# Altium PCB GEM_AFE_128.PcbDoc (part 15 of 18)
Units mm, origin at the board's own origin, x right, y up, seen from the top; angles counter-clockwise.
Board outline 112 x 81.5 mm, 8 copper layers (Top Layer, L1, L2, L3, L4, L5, L6, Bottom Layer), stack 1.52 mm thick; 1880 components, 1258 nets, 6287 pads, 2369 vias.
Unrouted connection lines stored in the file: 4.
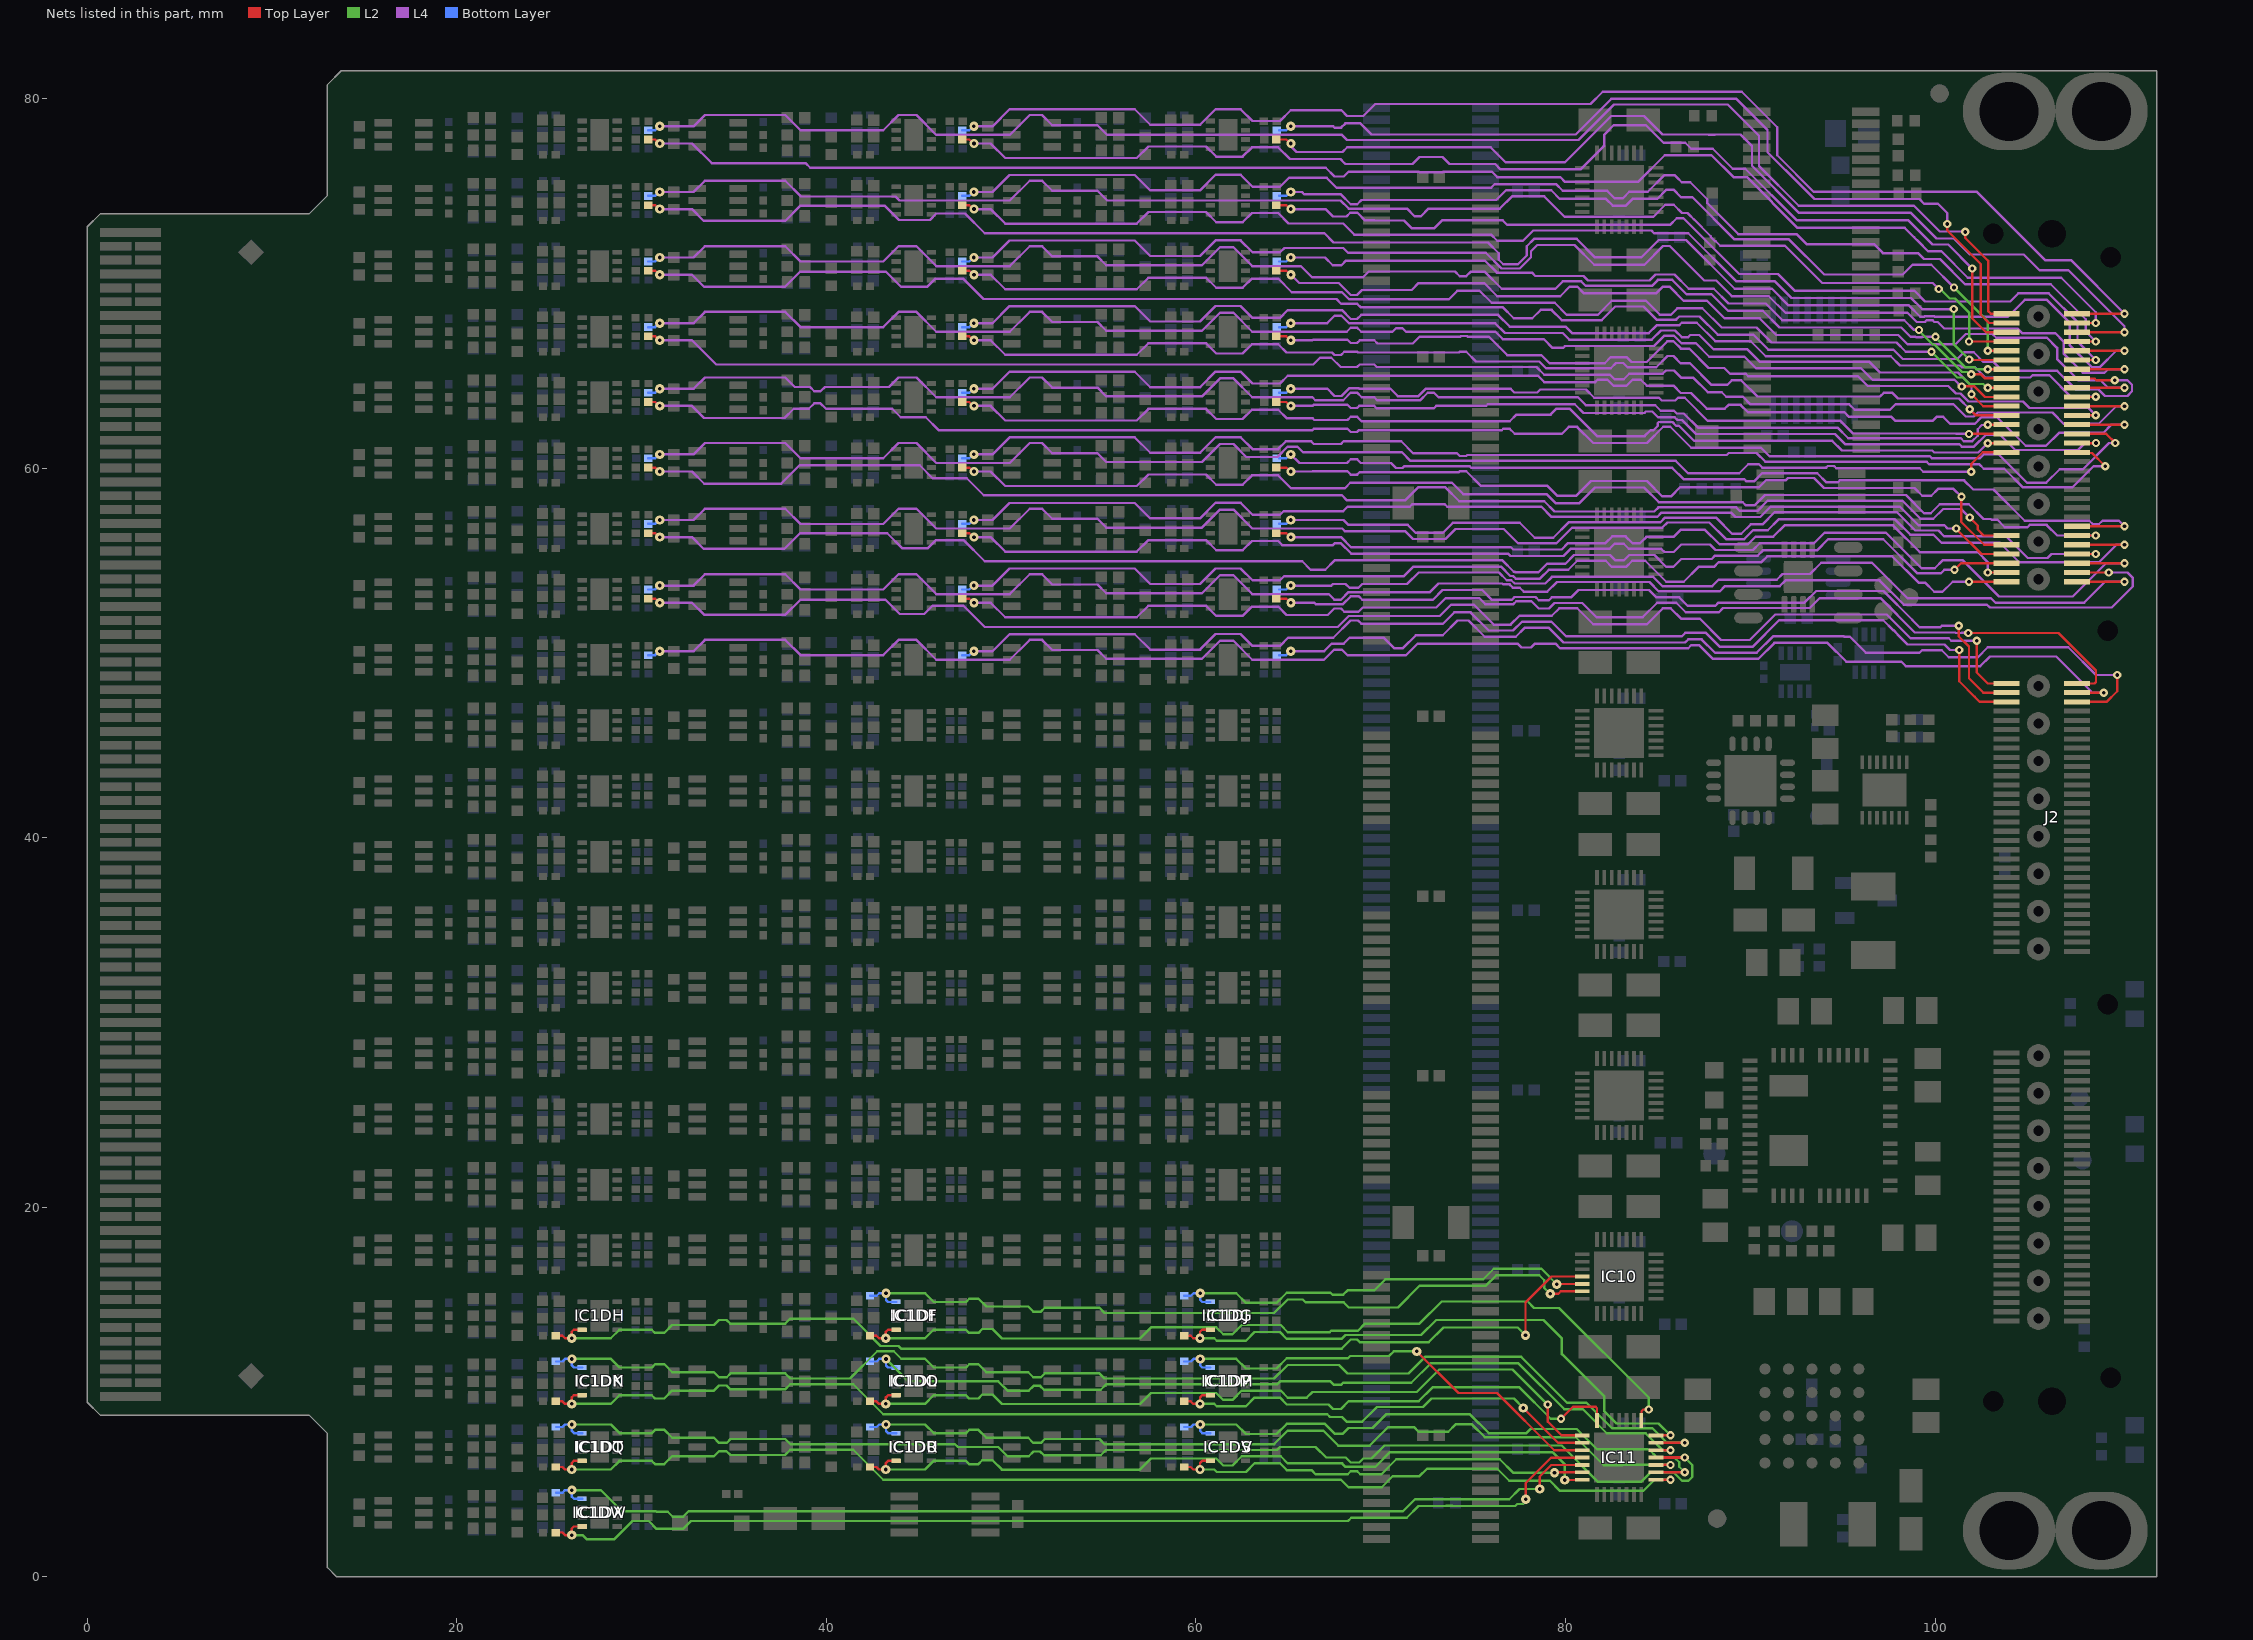
[diagram p21: the nets of this part, all layers, seen from the top]

## Via types
v1: diameter 0.5, hole 0.2, Top Layer to Bottom Layer, tented both sides, 1849 vias
v2: diameter 0.45, hole 0.2, Top Layer to Bottom Layer, tented both sides, 506 vias
v3: diameter 0.45, hole 0.2, Top Layer to Bottom Layer, 14 vias

## Nets (pads, with @x,y where several pads share a name; then routed paths per layer and width w, separated by ;. In a path a pad name is that pad's centre, name@x,y a point inside that pad or via, vN(x,y) a via of type N, cw(c..) or ccw(c..) an arc to the next point about the centre after c; other vN are vias at no path point) (continued)
OFFSET109: C4DF.2 IC1DF.4 IC10.13 | length 42.2
  Top Layer w0.127: v1(79.168,15.315) 79.61,15.315 79.744,15.449 IC10.13@80.9,15.449
  L2 w0.127: v1(43.23,15.342) 45.343,15.342 45.811,14.875 47.561,14.875 47.736,15.05 48.236,15.05 48.661,14.625 50.923,14.625 51.198,14.35 51.611,14.35 51.819,14.559 54.777,14.559 55.058,14.278 64.231,14.278 64.963,15.011 65.778,15.011 65.939,14.85 68,14.85 68.272,14.578 70.928,14.578 72.107,15.757 75.692,15.757 76.259,16.323 78.577,16.323 78.85,16.05 78.85,15.633 v1(79.168,15.315)
  Bottom Layer w0.127: C4DF.2@42.375,15.205 42.727,15.205 42.864,15.342 v1@43.205,15.342 ; v1(43.23,15.342) 43.23,14.988 43.343,14.875 IC1DF.4@43.786,14.875
OFFSET110: C4DG.2 IC1DG.4 IC10.12 | length 23.9
  Top Layer w0.127: v1(79.527,15.834) 79.542,15.849 IC10.12@80.9,15.849
  L2 w0.127: v1(60.23,15.342) 62.183,15.342 62.7,14.825 64.365,14.825 64.915,15.375 67.275,15.375 67.388,15.262 67.962,15.262 68.2,15.5 69.65,15.5 70.25,16.1 75.55,16.1 76.116,16.666 78.695,16.666 v1(79.527,15.834)
  Bottom Layer w0.127: C4DG.2@59.375,15.205 59.727,15.205 59.864,15.342 v1@60.205,15.342 ; v1(60.23,15.342) 60.23,14.988 60.343,14.875 IC1DG.4@60.786,14.875
OFFSET111: C4DH.2 IC1DH.4 IC10.11 | length 61.1
  Top Layer w0.127: C4DH.2@25.364,13.045 25.716,13.045 25.854,12.908 v1@26.195,12.908 ; v1(26.22,12.908) 26.22,13.262 26.333,13.375 IC1DH.4@26.775,13.375 ; v1(77.835,13.071) 77.835,14.844 79.24,16.249 IC10.11@80.9,16.249
  L2 w0.127: v1(26.22,12.908) 28.333,12.908 28.8,13.375 30.55,13.375 30.725,13.2 31.225,13.2 31.65,13.625 33.912,13.625 34.187,13.9 34.6,13.9 34.809,13.691 37.766,13.691 38.047,13.972 41.453,13.972 42.932,12.492 43.902,12.492 44.045,12.35 67.884,12.35 68.377,12.842 68.72,12.842 68.863,12.7 72.6,12.7 73.392,13.492 77.414,13.492 v1(77.835,13.071)
OFFSET112: C4DI.2 IC1DI.4 IC11.1 | length 48.9
  Top Layer w0.127: C4DI.2@42.364,13.045 42.716,13.045 42.854,12.908 v1@43.195,12.908 ; v1(43.22,12.908) 43.22,13.262 43.333,13.375 IC1DI.4@43.775,13.375 ; IC11.1@84.1,8.453 84.109,8.462 84.109,8.96 84.202,9.053 v2(84.498,9.053)
  L2 w0.127: v1(43.22,12.908) 45.333,12.908 45.8,13.375 47.55,13.375 47.725,13.2 48.225,13.2 48.438,13.412 48.987,13.412 49.5,12.9 56.975,12.9 57.575,13.5 61.1,13.5 61.475,13.125 61.975,13.125 62.475,13.625 64.583,13.625 64.968,13.24 67.24,13.24 67.312,13.312 68.762,13.312 69.15,13.7 72.1,13.7 73.3,14.9 77.95,14.9 78.3,14.55 79.65,14.55 84.498,9.702 v2(84.498,9.053)
OFFSET113: C4DJ.2 IC1DJ.4 IC11.28 | length 32.4
  Top Layer w0.127: C4DJ.2@59.364,13.045 59.716,13.045 59.854,12.908 v1@60.195,12.908 ; v1(60.22,12.908) 60.22,13.262 60.333,13.375 IC1DJ.4@60.775,13.375 ; IC11.28@85,7.656 v2(85.676,7.656)
  L2 w0.127: v1(60.22,12.908) 60.989,12.908 61.12,12.777 62.702,12.777 63.174,13.249 64.54,13.249 64.914,12.875 67.875,12.875 68.084,13.084 72.184,13.084 73,13.9 78.8,13.9 79.8,12.9 79.8,12.05 82.1,9.75 82.1,8.95 82.75,8.3 85.032,8.3 v2(85.676,7.656)
OFFSET114: C4DK.2 IC1DK.4 IC11.27 | length 68.6
  Top Layer w0.14: IC11.27@85,7.256 v2(86.447,7.256)
  L2 w0.127: v1(26.23,11.792) 28.343,11.792 28.811,11.325 30.561,11.325 30.736,11.5 31.236,11.5 31.661,11.075 33.923,11.075 34.198,10.8 34.611,10.8 34.819,11.009 37.777,11.009 38.058,10.728 41.278,10.728 42.758,12.208 43.642,12.208 44.05,11.8 45.336,11.8 45.811,11.325 47.561,11.325 47.736,11.5 48.236,11.5 48.661,11.075 50.923,11.075 51.198,10.8 51.611,10.8 51.819,11.009 54.777,11.009 55.058,10.728 64.231,10.728 64.963,11.461 67.739,11.461 68.2,11 71.5,11 72.4,11.9 77.6,11.9 80.076,9.424 81.126,9.424 82.51,8.04 84.7,8.04 85.484,7.256 v2(86.447,7.256)
  Bottom Layer w0.127: C4DK.2@25.375,11.655 25.727,11.655 25.864,11.792 v1@26.205,11.792 ; v1(26.23,11.792) 26.23,11.438 26.343,11.325 IC1DK.4@26.786,11.325
OFFSET115: C4DL.2 IC1DL.4 IC11.26 | length 48.6
  Top Layer w0.127: IC11.26@85,6.856 v2(85.676,6.856)
  L2 w0.127: v1(43.23,11.792) 44.448,10.575 49.3,10.575 49.8,10.075 50.954,10.075 51.212,10.332 51.568,10.332 51.775,10.125 54.85,10.125 55.14,10.415 64.39,10.415 64.55,10.575 67.275,10.575 67.465,10.385 67.847,10.385 67.962,10.5 71.65,10.5 72.7,11.55 77.455,11.55 79.931,9.074 80.926,9.074 82.232,7.768 84.332,7.768 85.244,6.856 v2(85.676,6.856)
  Bottom Layer w0.127: C4DL.2@42.375,11.655 42.727,11.655 42.864,11.792 v1@43.205,11.792 ; v1(43.23,11.792) 43.23,11.438 43.343,11.325 IC1DL.4@43.786,11.325
OFFSET116: C4DM.2 IC1DM.4 IC11.10 | length 25.3
  Top Layer w0.127: v1(71.95,12.2) 74.2,9.95 76.294,9.95 79.391,6.853 IC11.10@80.9,6.853
  L2 w0.127: v1(60.23,11.792) 62.183,11.792 62.7,11.275 64.365,11.275 64.915,11.825 68.225,11.825 68.35,11.95 70.45,11.95 70.7,12.2 v1(71.95,12.2)
  Bottom Layer w0.127: C4DM.2@59.375,11.655 59.727,11.655 59.864,11.792 v1@60.205,11.792 ; v1(60.23,11.792) 60.23,11.438 60.343,11.325 IC1DM.4@60.786,11.325
OFFSET117: C4DN.2 IC1DN.4 IC11.9 | length 59.6
  Top Layer w0.127: C4DN.2@25.364,9.495 25.716,9.495 25.854,9.358 v1@26.195,9.358 ; v1(26.22,9.358) 26.22,9.712 26.333,9.825 IC1DN.4@26.775,9.825 ; v1(77.714,9.137) 79.598,7.253 IC11.9@80.9,7.253
  L2 w0.127: v1(26.22,9.358) 28.333,9.358 28.8,9.825 30.55,9.825 30.725,9.65 31.225,9.65 31.65,10.075 33.912,10.075 34.187,10.35 34.6,10.35 34.809,10.141 37.766,10.141 38.047,10.422 41.453,10.422 43.075,8.8 67.1,8.8 67.25,8.65 67.9,8.65 68.15,8.4 69,8.4 69.79,9.19 72.29,9.19 72.75,9.65 77.201,9.65 v1(77.714,9.137)
OFFSET118: C4DO.2 IC1DO.4 IC11.8 | length 43.5
  Top Layer w0.127: C4DO.2@42.364,9.495 42.716,9.495 42.854,9.358 v1@43.195,9.358 ; v1(43.22,9.358) 43.22,9.712 43.333,9.825 IC1DO.4@43.775,9.825 ; v2(79.037,9.321) 79.037,8.399 79.777,7.659 80.894,7.659 IC11.8@80.9,7.653
  L2 w0.127: v1(43.22,9.358) 45.333,9.358 45.8,9.825 47.55,9.825 47.725,9.65 48.225,9.65 48.438,9.862 48.987,9.862 49.5,9.35 56.975,9.35 57.575,9.95 61.1,9.95 61.475,9.575 61.975,9.575 62.475,10.075 64.583,10.075 64.968,9.69 65.99,9.69 66.3,10 71.95,10 73.165,11.215 77.135,11.215 79.029,9.321 v2(79.037,9.321)
OFFSET119: C4DP.2 IC1DP.4 IC11.7 | length 26
  Top Layer w0.127: C4DP.2@59.364,9.495 59.716,9.495 59.854,9.358 v1@60.195,9.358 ; v1(60.22,9.358) 60.22,9.712 60.333,9.825 IC1DP.4@60.775,9.825 ; v2(79.75,8.55) 80.4,9.2 81.626,9.2 81.7,9.126 IC11.7@81.7,8.453
  L2 w0.127: v1(60.22,9.358) 60.989,9.358 61.12,9.227 62.702,9.227 63.174,9.699 64.54,9.699 64.914,9.325 67.175,9.325 67.415,9.085 67.847,9.085 68.262,9.5 72.05,9.5 72.8,10.25 77.5,10.25 79.2,8.55 v2(79.75,8.55)
OFFSET120: C4DQ.2 IC1DQ.4 IC11.25 | length 68.6
  Top Layer w0.14: IC11.25@85,6.456 v2(86.447,6.456)
  L2 w0.127: v1(26.23,8.242) 28.343,8.242 28.811,7.775 30.561,7.775 30.736,7.95 31.236,7.95 31.661,7.525 33.923,7.525 34.198,7.25 34.611,7.25 34.819,7.459 37.777,7.459 38.058,7.178 46.962,7.178 47.115,7.025 49.3,7.025 49.8,6.525 50.954,6.525 51.212,6.782 51.568,6.782 51.775,6.575 54.85,6.575 55.14,6.865 64.39,6.865 64.55,7.025 66.475,7.025 67.047,6.453 68.11,6.453 68.378,6.185 68.835,6.185 69.05,6.4 69.5,6.4 70.21,7.11 79.79,7.11 81.762,5.138 84.088,5.138 84.6,5.65 85.85,5.65 86.3,5.2 86.65,5.2 86.85,5.4 86.85,6.053 v2(86.447,6.456)
  Bottom Layer w0.127: C4DQ.2@25.375,8.105 25.727,8.105 25.864,8.242 v1@26.205,8.242 ; v1(26.23,8.242) 26.23,7.888 26.343,7.775 IC1DQ.4@26.775,7.775 IC1DQ.4@26.786,7.775
OFFSET121: C4DR.2 IC1DR.4 IC11.24 | length 48
  Top Layer w0.127: IC11.24@85,6.056 v2(85.676,6.056)
  L2 w0.127: v1(43.23,8.242) 45.343,8.242 45.811,7.775 47.561,7.775 47.736,7.95 48.236,7.95 48.661,7.525 50.923,7.525 51.198,7.25 51.611,7.25 51.819,7.459 54.777,7.459 55.058,7.178 64.231,7.178 64.963,7.911 66.889,7.911 67.7,7.1 69.4,7.1 70.4,8.1 71.8,8.1 72.05,7.85 73.65,7.85 74.05,8.25 74.933,8.25 75.633,7.55 80.55,7.55 82.062,6.038 83.072,6.038 83.09,6.056 v2(85.676,6.056)
  Bottom Layer w0.127: C4DR.2@42.375,8.105 42.727,8.105 42.864,8.242 v1@43.205,8.242 ; v1(43.23,8.242) 43.23,7.888 43.343,7.775 IC1DR.4@43.775,7.775 IC1DR.4@43.786,7.775
OFFSET122: C4DS.2 IC1DS.4 IC11.23 | length 32.2
  Top Layer w0.14: IC11.23@85,5.656 v2(86.447,5.656)
  L2 w0.127: v1(60.23,8.242) 62.183,8.242 62.7,7.725 64.365,7.725 64.915,8.275 66.975,8.275 67.5,7.75 67.95,7.75 68.25,8.05 69.55,8.05 70.29,8.79 74.833,8.79 75.844,7.779 77.879,7.779 78.1,8 80.6,8 81.7,6.9 84.5,6.9 84.95,6.45 85.9,6.45 86.15,6.2 86.15,5.953 v2(86.447,5.656)
  Bottom Layer w0.127: C4DS.2@59.375,8.105 59.727,8.105 59.864,8.242 v1@60.205,8.242 ; v1(60.23,8.242) 60.23,7.888 60.343,7.775 IC1DS.4@60.775,7.775 IC1DS.4@60.786,7.775
OFFSET123: C4DT.2 IC1DT.4 IC11.22 | length 64.7
  Top Layer w0.127: C4DT.2@25.364,5.945 25.716,5.945 25.854,5.808 v1@26.195,5.808 ; v1(26.22,5.808) 26.22,6.162 26.333,6.275 IC1DT.4@26.775,6.275 ; IC11.22@85,5.256 v2(85.676,5.256)
  L2 w0.127: v1(26.22,5.808) 28.333,5.808 28.8,6.275 30.55,6.275 30.725,6.1 31.225,6.1 31.65,6.525 33.912,6.525 34.187,6.8 34.6,6.8 34.809,6.591 37.766,6.591 38.047,6.872 41.453,6.872 43.075,5.25 67.85,5.25 68.25,4.85 70.05,4.85 70.65,5.45 72.1,5.45 72.5,5.85 76.3,5.85 76.95,5.2 79.15,5.2 79.7,4.65 84.2,4.65 84.806,5.256 v2(85.676,5.256)
OFFSET124: C4DU.2 IC1DU.4 IC11.14 | length 42.4
  Top Layer w0.127: C4DU.2@42.364,5.945 42.716,5.945 42.854,5.808 v1@43.195,5.808 ; v1(43.22,5.808) 43.22,6.162 43.333,6.275 IC1DU.4@43.775,6.275 ; v1(79.95,5.238) 80.885,5.238 IC11.14@80.9,5.253
  L2 w0.127: v1(43.22,5.808) 45.333,5.808 45.8,6.275 47.55,6.275 47.725,6.1 48.225,6.1 48.438,6.313 48.987,6.313 49.5,5.8 56.975,5.8 57.575,6.4 61.1,6.4 61.475,6.025 61.975,6.025 62.475,6.525 64.583,6.525 64.968,6.14 67.91,6.14 68.1,5.95 69.7,5.95 70.5,6.75 79.3,6.75 79.95,6.1 v1(79.95,5.238)
OFFSET125: C4DV.2 IC1DV.4 IC11.13 | length 23.8
  Top Layer w0.127: C4DV.2@59.364,5.945 59.716,5.945 59.854,5.808 v1@60.195,5.808 ; v1(60.22,5.808) 60.22,6.162 60.333,6.275 IC1DV.4@60.775,6.275 ; v1(79.4,5.638) 79.415,5.653 IC11.13@80.9,5.653
  L2 w0.127: v1(60.22,5.808) 60.989,5.808 61.12,5.677 62.702,5.677 63.174,6.149 64.54,6.149 64.914,5.775 66.25,5.775 66.475,5.55 68.213,5.55 68.378,5.715 68.722,5.715 68.887,5.55 70.032,5.55 70.843,6.361 76.439,6.361 77.162,5.638 v1(79.4,5.638)
OFFSET126: C4DW.2 IC1DW.4 IC11.12 | length 58.7
  Top Layer w0.127: v1(78.6,4.75) 78.6,5.423 78.985,5.807 78.985,5.81 79.228,6.053 IC11.12@80.9,6.053
  L2 w0.127: v1(26.23,4.692) 27.791,4.692 28.934,3.55 30.784,3.55 30.81,3.524 31.418,3.524 31.691,3.25 32.248,3.25 32.548,3.55 71.2,3.55 71.85,4.2 76.95,4.2 77.5,4.75 v1(78.6,4.75)
  Bottom Layer w0.127: C4DW.2@25.375,4.555 25.727,4.555 25.864,4.692 v1@26.205,4.692 ; v1(26.23,4.692) 26.23,4.338 26.343,4.225 IC1DW.4@26.786,4.225
OFFSET127: C4DX.2 IC1DX.4 IC11.11 | length 59.4
  Top Layer w0.127: C4DX.2@25.364,2.395 25.716,2.395 25.854,2.258 v1@26.195,2.258 ; v1(26.22,2.258) 26.22,2.612 26.333,2.725 IC1DX.4@26.775,2.725 ; v1(77.85,4.2) 77.85,5.079 79.224,6.453 79.262,6.453 IC11.11@80.9,6.453
  L2 w0.127: v1(26.22,2.258) 26.807,2.258 27.024,2.041 28.536,2.041 29.516,3.021 30.39,3.021 30.815,2.596 32.246,2.596 32.671,3.021 68.221,3.021 68.4,3.2 71.406,3.2 72.039,3.833 73.528,3.833 73.537,3.842 73.861,3.842 73.87,3.833 77.281,3.833 77.388,3.94 77.69,3.94 77.85,4.1 v1(77.85,4.2)
OUTP0: J2.1 R6A.2 | length 84.2
  Top Layer w0.127: v2(101.621,72.777) 101.63,72.768 101.63,72.452 102.867,71.215 102.867,68.495 103.015,68.347 J2.1@103.861,68.347
  L4 w0.127: v1(30.982,78.489) 32.815,78.489 33.427,79.1 37.775,79.1 38.6,78.275 43.075,78.275 43.9,79.1 44.875,79.1 45.95,78.025 49.929,78.025 51.004,79.1 51.675,79.1 52.225,78.55 54.675,78.55 55.2,78.025 67.9,78.025 68.175,77.75 80.7,77.75 82.62,79.67 88.78,79.67 90.466,77.984 90.466,76.346 92.619,74.193 98.857,74.193 100.25,72.8 101.597,72.8 v2(101.621,72.777)
  Bottom Layer w0.127: R6A.2@30.356,78.276 30.732,78.276 30.944,78.489 v1(30.982,78.489)
OUTP1: J2.2 R6B.2 | length 73.7
  Top Layer w0.127: J2.2@107.671,68.347 v2(110.25,68.347)
  L4 w0.127: v1(47.982,78.489) 48.989,78.489 49.909,79.409 56.691,79.409 57.525,78.575 60.224,78.575 61.064,79.416 62.415,79.416 63.056,78.775 64.55,78.775 65.13,79.355 67.87,79.355 68.175,79.05 69.052,79.05 69.702,79.7 81.35,79.7 82.011,80.361 89.534,80.361 91.45,78.445 91.45,76.927 93.433,74.944 102.256,74.944 105.95,71.25 107.347,71.25 v2(110.25,68.347)
  Bottom Layer w0.127: R6B.2@47.356,78.276 47.732,78.276 47.944,78.489 v1(47.982,78.489)
OUTP2: J2.3 R6C.2 | length 48.5
  Top Layer w0.127: v2(100.65,73.2) 100.65,72.85 102.464,71.036 102.464,68.294 102.911,67.847 J2.3@103.861,67.847
  L4 w0.127: v1(65.132,78.489) 67.426,78.489 67.496,78.418 67.854,78.418 68.085,78.65 68.9,78.65 69.5,78.05 80.55,78.05 82.473,79.973 89.242,79.973 90.928,78.287 90.928,77.09 92.814,75.204 92.818,75.204 93.467,74.556 99.144,74.556 99.4,74.3 100.15,74.3 100.65,73.8 v2(100.65,73.2)
  Bottom Layer w0.127: R6C.2@64.506,78.276 64.882,78.276 65.094,78.489 v1(65.132,78.489)
OUTP3: J2.4 R6D.2 | length 85.2
  Top Layer w0.127: R6D.2@30.361,77.774 30.736,77.774 30.949,77.561 v1(30.987,77.561) ; J2.4@107.671,67.847 108.69,67.847 v2(108.692,67.849)
  L4 w0.127: v1(30.987,77.561) 32.731,77.561 33.793,76.499 38.876,76.499 39.125,76.25 67.025,76.25 67.5,75.775 68,75.775 68.257,76.032 72.071,76.032 72.102,76.001 73.345,76.001 73.376,76.032 76.018,76.032 76.308,75.742 79.708,75.742 79.965,75.485 83.928,75.485 85.37,76.927 87.9,76.927 89.087,75.74 89.811,75.74 92.555,72.995 98.355,72.995 98.86,72.49 98.862,72.49 99.09,72.262 99.09,72.26 99.619,71.731 100.336,71.731 101.767,70.3 106.818,70.3 108.692,68.426 v2(108.692,67.849)
OUTP4: J2.5 R6E.2 | length 66
  Top Layer w0.127: R6E.2@47.361,77.774 47.736,77.774 47.949,77.561 v1(47.987,77.561) ; v2(102,70.8) 102,68.1 102.755,67.345 103.859,67.345 J2.5@103.861,67.347
  L4 w0.127: v1(47.987,77.561) 48.889,77.561 49.675,76.775 56.8,76.775 57.425,77.4 60.55,77.4 61.1,76.85 62.525,76.85 63.025,77.35 64.45,77.35 65.081,76.719 67.816,76.719 68,76.535 68.085,76.45 71.721,76.45 72.102,76.831 73.345,76.831 73.726,76.45 76.192,76.45 76.481,76.161 80.811,76.161 82.1,77.45 82.1,78.05 82.6,78.55 84.35,78.55 85.3,77.6 86.48,77.6 86.8,77.28 87.966,77.28 89.05,76.196 89.719,76.196 92.502,73.413 98.528,73.413 99.849,72.092 100.708,72.092 v2(102,70.8)
OUTP5: J2.6 R6F.2 | length 55.9
  Top Layer w0.127: R6F.2@64.511,77.774 64.886,77.774 65.099,77.561 v1(65.137,77.561) ; J2.6@107.671,67.347 v2(110.25,67.347)
  L4 w0.127: v1@64.987,77.561 65.445,77.104 67.931,77.104 68.184,77.357 75.943,77.357 76.75,76.55 79.972,76.55 82.475,79.052 84.248,79.052 85.25,78.05 87.735,78.05 87.751,78.034 88.074,78.034 88.091,78.05 89.468,78.05 90.092,77.426 90.092,76.354 92.64,73.807 98.691,73.807 100.077,72.421 101.004,72.421 101.87,71.555 104.795,71.555 105.65,70.7 107.213,70.7 110.241,67.672 110.241,67.356 v2(110.25,67.347)
OUTP6: J2.7 R6G.2 | length 80.7
  Top Layer w0.127: v2@101.837,66.849 J2.7@103.863,66.849
  L4 w0.127: v1(30.982,74.939) 32.815,74.939 33.427,75.55 37.775,75.55 38.63,74.695 43.737,74.695 43.957,74.475 49.929,74.475 51.004,75.55 51.675,75.55 52.225,75 54.675,75 55.2,74.475 67.826,74.475 68.263,74.038 71.416,74.038 71.828,73.626 72.172,73.626 72.584,74.038 76.438,74.038 77.1,74.7 78.85,74.7 79.95,73.6 84.75,73.6 85.393,74.243 85.857,74.243 86.3,73.8 86.602,73.8 86.71,73.692 86.71,73.688 86.938,73.46 86.942,73.46 87.858,72.544 87.858,72.503 88.086,72.275 88.127,72.275 88.372,72.03 91.87,72.03 92.81,71.09 92.812,71.09 93.04,70.862 93.04,70.86 93.89,70.01 98.638,70.01 98.962,70.01 99.869,70.01 v2(100.191,69.688)
  L2 w0.127: v2(100.191,69.688) 100.278,69.688 100.794,69.172 101.078,69.172 101.835,68.415 v2(101.835,66.847)
  Bottom Layer w0.127: R6G.2@30.356,74.726 30.732,74.726 30.944,74.939 v1(30.982,74.939)
OUTP7: J2.8 R6H.2 | length 69.4
  Top Layer w0.127: J2.8@107.671,66.847 108.69,66.847 v2(108.692,66.849)
  L4 w0.127: v1(47.982,74.939) 48.989,74.939 49.909,75.859 56.691,75.859 57.525,75.025 60.224,75.025 61.064,75.866 62.415,75.866 63.056,75.225 64.55,75.225 65.035,75.71 67.068,75.71 67.61,75.168 75.97,75.168 76.163,75.361 79.489,75.361 79.85,75 82.25,75 82.65,74.6 83.1,74.6 83.45,74.95 84.45,74.95 85.35,75.85 85.9,75.85 86.057,75.693 86.057,75.692 86.286,75.463 86.752,75.463 87.668,74.547 87.668,74.335 89.345,72.658 92.494,72.658 93.037,72.115 96.685,72.115 97.173,71.627 99.073,71.627 99.389,71.311 100.256,71.311 101.621,69.946 106.254,69.946 108.15,68.05 108.15,67.391 v2(108.692,66.849)
  Bottom Layer w0.127: R6H.2@47.356,74.726 47.732,74.726 47.944,74.939 v1(47.982,74.939)
OUTP8: J2.9 R6I.2 | length 45.7
  Top Layer w0.127: v2(102.84,66.345) 102.842,66.347 J2.9@103.861,66.347
  L4 w0.127: v1(65.132,74.939) 65.734,74.939 65.863,74.809 67.844,74.809 68.377,74.276 68.726,74.276 68.95,74.5 76.247,74.5 76.773,75.026 79.224,75.026 79.685,74.565 82.185,74.565 82.55,74.2 83.263,74.2 83.628,74.565 84.965,74.565 85.463,75.063 85.837,75.063 86.25,74.65 86.864,74.65 89.141,72.373 92.092,72.373 93.994,70.471 98.248,70.471 98.778,71 99.793,71 v2(101.021,69.771)
  L2 w0.127: v2(101.021,69.771) 102.84,67.953 v2(102.84,66.345)
  Bottom Layer w0.127: R6I.2@64.506,74.726 64.882,74.726 65.094,74.939 v1(65.132,74.939)
OUTP9: J2.10 R6J.2 | length 91.3
  Top Layer w0.127: R6J.2@30.361,74.224 30.736,74.224 30.949,74.011 v1(30.987,74.011) ; J2.10@107.671,66.347 v2(110.25,66.347)
  L4 w0.127: v1(30.987,74.011) 32.731,74.011 33.368,73.375 37.775,73.375 38.6,74.2 43.15,74.2 43.925,73.425 45.6,73.425 45.95,73.775 47.5,73.775 48.575,72.7 66.95,72.7 67.451,72.2 75.801,72.2 76.383,71.617 76.383,71.269 76.627,71.026 77.426,71.026 77.9,71.5 77.9,72 78.3,72.4 80.6,72.4 81.6,71.4 84.1,71.4 85.038,72.338 86.512,72.338 89.15,69.7 91.163,69.7 92.063,68.8 98.578,68.8 99.189,68.189 99.411,68.189 99.442,68.22 99.955,68.22 99.986,68.189 103.939,68.189 104.85,69.1 106.05,69.1 107.273,67.877 107.273,66.657 108.471,65.459 108.913,65.459 109.801,66.347 v2(110.25,66.347)
OUTP10: J2.11 R6K.2 | length 62.5
  Top Layer w0.127: R6K.2@47.361,74.224 47.736,74.224 47.949,74.011 v1(47.987,74.011) ; v2(101.847,65.87) 101.87,65.847 J2.11@103.861,65.847
  L4 w0.127: v1(47.987,74.011) 48.889,74.011 49.675,73.225 56.8,73.225 57.425,73.85 60.55,73.85 61.1,73.3 62.525,73.3 63.025,73.8 64.45,73.8 65.015,73.235 67.965,73.235 68.569,72.631 75.969,72.631 76.3,72.3 77.7,72.3 78.25,72.85 84.65,72.85 84.792,72.708 86.637,72.708 89.246,70.1 91.328,70.1 92.228,69.2 98.7,69.2 99.3,68.6 v2(101,68.6)
  L2 w0.127: v2(101,68.6) 101,66.717 v2(101.847,65.87)
OUTP11: J2.12 R6L.2 | length 50.6
  Top Layer w0.127: R6L.2@64.511,74.224 64.886,74.224 65.099,74.011 v1(65.137,74.011) ; J2.12@107.671,65.847 108.69,65.847 v2(108.692,65.849)
  L4 w0.127: v1@64.987,74.011 v1(65.137,74.011) 67.014,74.011 67.416,73.609 68.145,73.609 68.346,73.81 68.74,73.81 69.15,73.4 69.65,73.4 69.653,73.397 71.253,73.397 71.684,72.966 72.883,72.966 73.317,73.4 76.6,73.4 76.843,73.157 85.654,73.157 86.012,73.516 86.384,73.516 89.4,70.5 91.494,70.5 92.394,69.6 98.866,69.6 99.455,69.011 104.061,69.011 104.5,69.45 106.15,69.45 107.7,67.9 107.7,66.841 v2(108.692,65.849)
OUTP12: J2.13 R6M.2 | length 80.1
  Top Layer w0.127: v2(102.838,65.343) 102.84,65.345 J2.13@103.859,65.345
  L4 w0.127: v1(30.982,71.389) 32.815,71.389 33.427,72 37.775,72 38.6,71.175 43.075,71.175 43.9,72 44.875,72 45.95,70.925 49.929,70.925 51.004,72 51.675,72 52.225,71.45 54.675,71.45 55.15,70.975 60.325,70.975 61.3,71.95 62.025,71.95 63.05,70.925 65.675,70.925 66.275,70.325 69.04,70.325 69.351,70.636 74.016,70.636 74.277,70.376 74.62,70.376 74.857,70.612 75.638,70.612 76.55,69.7 79.45,69.7 79.85,70.1 80.85,70.1 81.094,69.856 84.672,69.856 84.996,70.18 85.77,70.18 86.544,69.406 87.894,69.406 88.794,68.506 90.668,68.506 91.568,67.606 98.168,67.606 98.668,67.106 98.936,67.106 98.959,67.083 99.282,67.083 99.305,67.106 100.011,67.106 v2(100.017,67.099)